# Altium PCB FIRE ARLARM_DEV.PcbDoc (part 1 of 2) (continued)
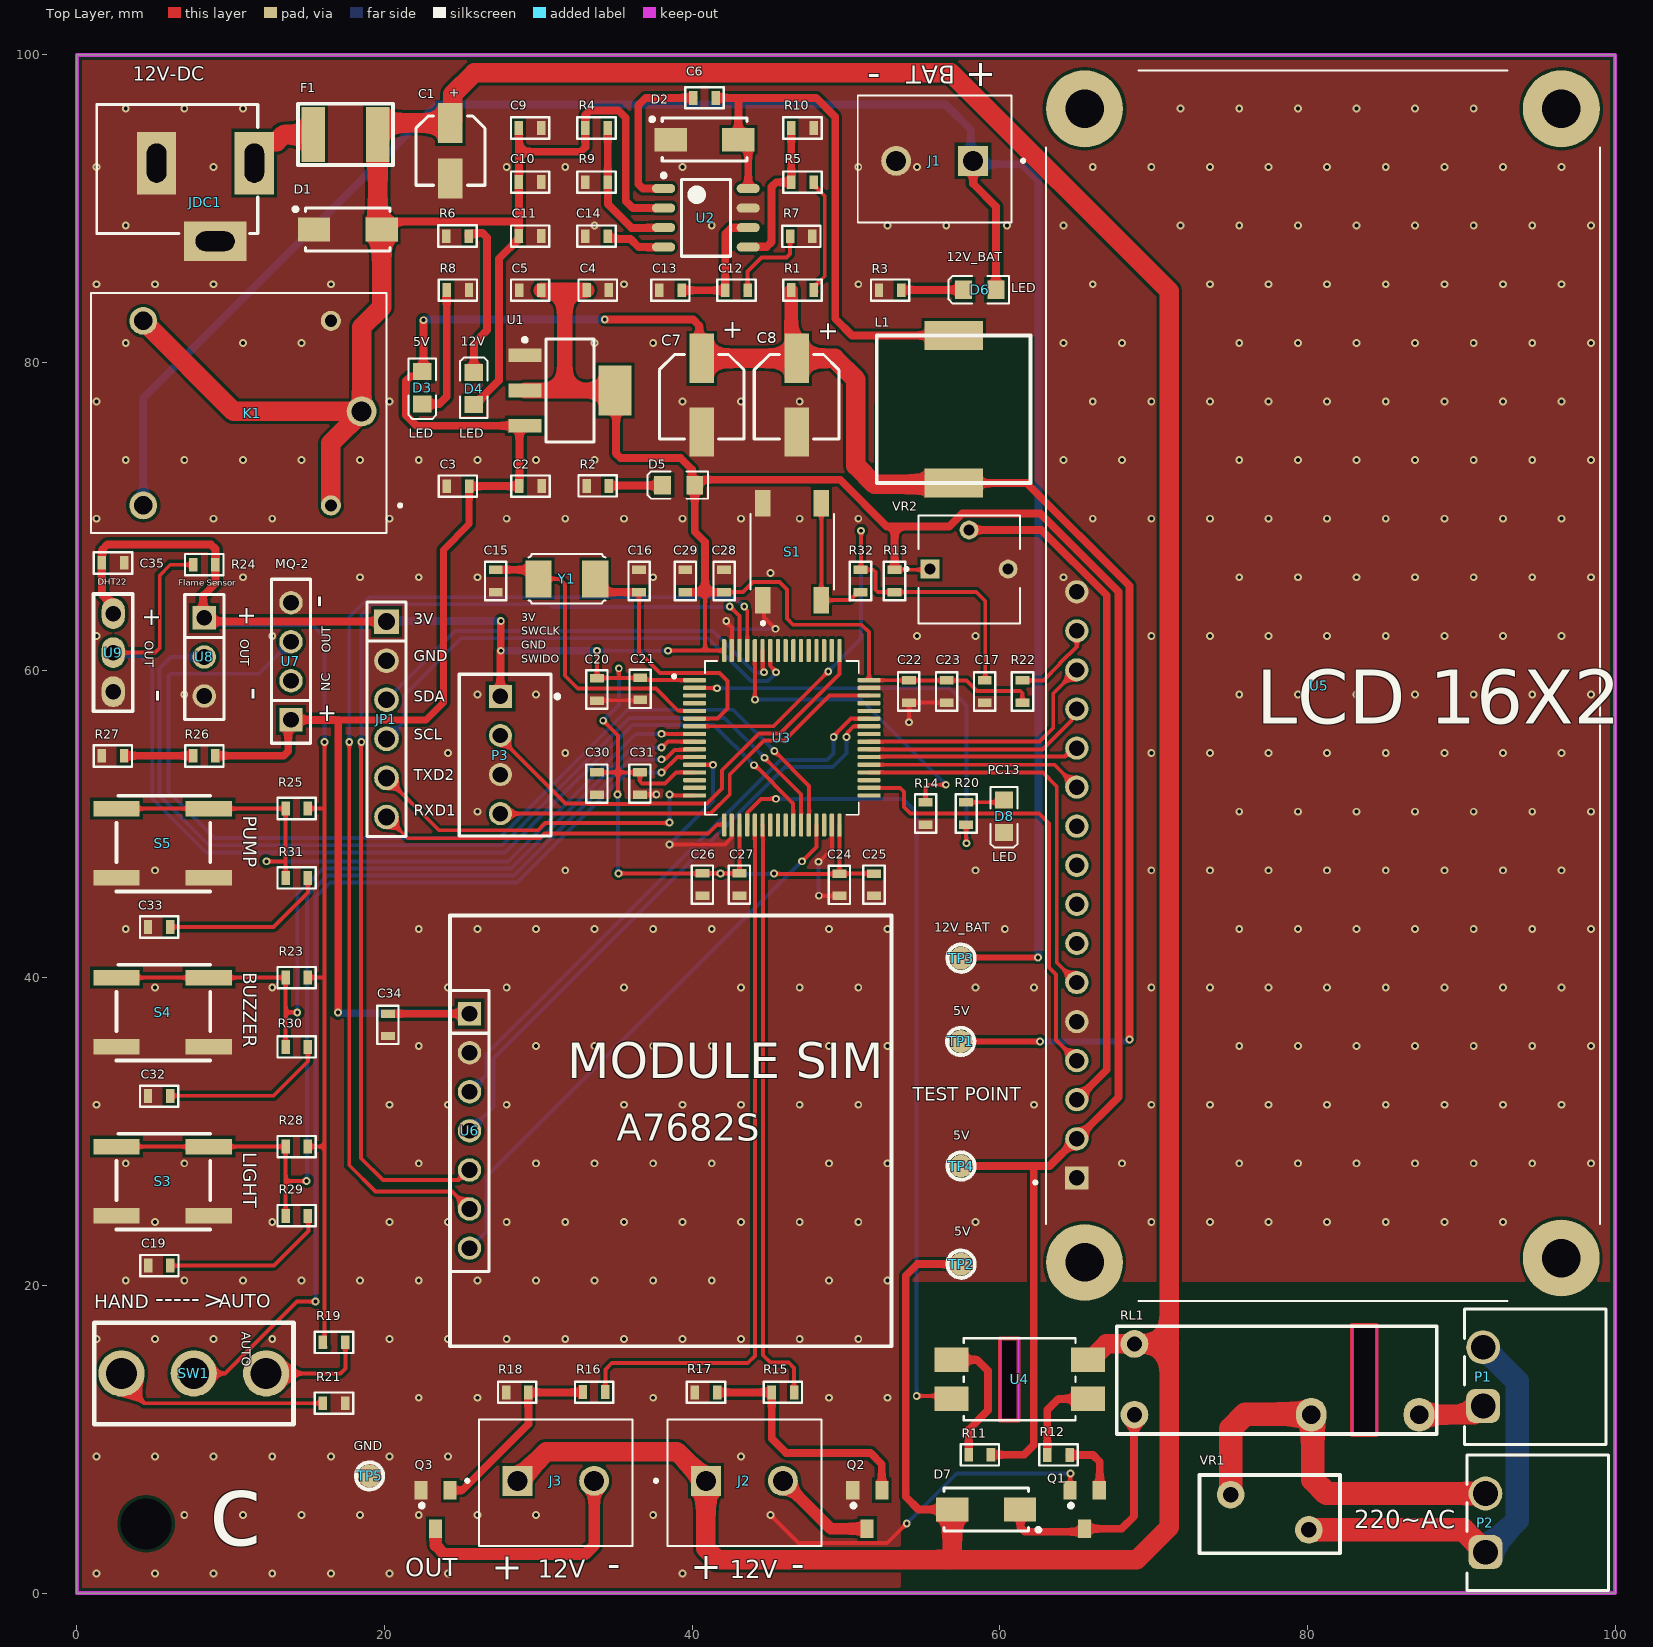
[diagram p0: Top Layer view]
## Part data (continued)
C11 C14: library part 01060310310, "CAP, size 0603, 10nF", Capacitance Tolerance=+/-10%, Operating Temperature="-55 to +125degC", Capacitance=10nF, ComponentLink1Description=Manufacturer, ComponentLink1URL=http://www.we-online.de, ComponentLink2Description=Datasheet, ComponentLink2URL=https://www.we-online.com/catalog/datasheet/885012206089.pdf, Mounting Technology=SMT, Packaging="Tape and Reel", Size=0603, Supply 1 Name="Wurth Elektronik", Supply 1 SN=885012206089, Supply 1 URL=https://www.we-online.com/en/components/products/WCAP-CSGP-50VDC?sq=885012206089#885012206089, Supply 2 Name=Thegioiic, Supply 2 URL=https://www.thegioiic.com/tu-gom-0603-10nf-50v
C13: library part 01060347310, "CAP, size 0603, 47nF", Capacitance=47nF, Capacitance Tolerance=+/-10%, Operating Temperature="-55 to +125degC", ComponentLink1Description=Manufacturer, ComponentLink1URL=http://www.we-online.de, ComponentLink2Description=Datasheet, ComponentLink2URL=https://www.we-online.com/catalog/datasheet/885012206093.pdf, Mounting Technology=SMT, Packaging="Tape and Reel", Size=0603, Supply 1 Name="Wurth Elektronik", Supply 1 SN=885012206093, Supply 1 URL=https://www.we-online.com/en/components/products/WCAP-CSGP-50VDC?sq=885012206093#885012206093, Supply 2 Name=Thegioiic, Supply 2 URL=https://www.thegioiic.com/tu-gom-0603-47nf-50v
C15 C16: library part 01060322010, "CAP, size 0603, 22pF", Capacitance Tolerance=+/-10%, Operating Temperature="-55 to +125degC", Capacitance=22pF, ComponentLink1Description=Manufacturer, ComponentLink1URL=Thegioiic, ComponentLink2Description=Datasheet, Mounting Technology=SMT, Packaging="Tape and Reel", Size=0603, Supply 2 Name=Thegioiic, Supply 2 URL=https://www.thegioiic.com/tu-gom-0603-22pf-50v
C31: library part 01060310510, "CAP, size 0603, 1uF", Capacitance=1uF, Capacitance Tolerance=+/-10%, Operating Temperature="-55 to +125degC", ComponentLink1Description=Manufacturer, ComponentLink1URL=http://www.we-online.de, ComponentLink2Description=Datasheet, ComponentLink2URL=https://www.we-online.com/components/products/datasheet/885012206126.pdf, Mounting Technology=SMT, Packaging="Tape and Reel", Size=0603, Supply 1 Name="Wurth Elektronik", Supply 1 SN=885012206126, Supply 1 URL=https://www.we-online.com/en/components/products/WCAP-CSGP-50VDC?sq=885012206126#885012206126, Supply 2 Name=Thegioiic, Supply 2 URL=https://www.thegioiic.com/tu-gom-0603-1uf-50v
D1 D2: "Schottky Diode", Code_JEDEC=DO-214-AA, LatestRevisionDate=17-Jul-2002, LatestRevisionNote="Re-released for DXP Platform.", PackageDescription="DO-214-AA/SMB; 2 C-Bend Leads; Body 5.3 x 3.6 mm, inc. leads (LxW)", PackageReference=SMB, Published=8-Jun-2000, Publisher="Altium Limited"
D3 D4 D5 D6 D8: "LED"
D7: library part "D Schottky", "Schottky Diode", Code_JEDEC=DO-214-AA, LatestRevisionDate=17-Jul-2002, LatestRevisionNote="Re-released for DXP Platform.", PackageDescription="DO-214-AA/SMB; 2 C-Bend Leads; Body 5.3 x 3.6 mm, inc. leads (LxW)", PackageReference=SMB, Published=8-Jun-2000, Publisher="Altium Limited"
F1: library part 061812200008, "Resettable Fuse, Size 1812, 8V, 2A", Hold Current=2A, Manufacturer=Littelfuse, Threshold Current=100A, Threshold Voltage=8V, Trip Current=4A, ComponentLink1Description="Datasheet link", ComponentLink1URL=https://www.littelfuse.com/~/media/electronics/product_specifications/resettable_ptcs/littelfuse_ptc_minismdc300f_2_product_specification.pdf.pdf, ComponentLink2Description="Supply 1 URL", ComponentLink2URL=https://www.mouser.vn/ProductDetail/Littelfuse/MINISMDC200F-2?qs=F6FIpiMdEVbPu4q%2F42CC1w%3D%3D, ComponentLink3Description="Supply 2 URL", ComponentLink3URL=https://www.digikey.com/en/products/detail/littelfuse-inc/MINISMDC200F-2/1045898?s=N4IgTCBcDaIAQFkCSA5JBlBARAwmADPgGIC0EAugL5A, ComponentLink4Description="Supply 3 URL", ComponentLink4URL=https://www.thegioiic.com/cau-chi-tu-phuc-hoi-1812-8v-2a, Mounting Technology=SMT/SMD, Size=1812, Supply 1 Name=Mouser, Supply 1 SN=650-MINISMDC200F-2, Supply 2 Name=Digikey, Supply 2 SN=MINISMDC200F-2TR-ND, Supply 3 Name=Thegioiic, Supply 3 SN=N/A
J1: "PCB Terminal Screw 5mm 16AWG 400V 17.5A 2 Position COMBICON PT Series", Package=None, Check_prices=https://www.snapeda.com/parts/1935161/Phoenix+Contact/view-part/?ref=eda, MF="Phoenix Contact", MP=1935161, SnapEDA_Link=https://www.snapeda.com/parts/1935161/Phoenix+Contact/view-part/?ref=snap
J2: library part Buzzer_12v
J3: library part Light_12V
JDC1: "Jack DC input"
JP1: library part "JP 1x6 2.54 Duc", "Cắm", Chung_Loai=Cắm, Don_Vi=Con, Ma_Hang=MH000904, Ten_Linh_Kien="Jump Đơn Đực 2.54MM 1x40P Cong Đứng"
K1: "General Purpose Non Latching 12VDC SPDT Through Hole Relays RoHS", Package="NON STANDARD-5 Songle Relay", Check_prices=https://www.snapeda.com/parts/SRD-12VDC-SL-C/Songle+Relay/view-part/?ref=eda, MF="Songle Relay", MP=SRD-12VDC-SL-C, SnapEDA_Link=https://www.snapeda.com/parts/SRD-12VDC-SL-C/Songle+Relay/view-part/?ref=snap
L1: library part 78477410, "WE-PD2A SMT Power Inductor, size 5848, 10uH, 2.2A", DC Resistance max.=0.1Ohm, DC Resistance typ.=0.078Ohm, Inductance=10uH, Manufacturer="Wurth Elektronik", Operating Temperature="-40 to +125degC", Rated Current=2.2A, Rated Voltage=80VDC, Saturation Current=2.5A, Self Resonant Frequency=26MHz, ComponentLink1Description=Manufacturer, ComponentLink1URL=http://www.we-online.de, ComponentLink2Description=Datasheet, ComponentLink2URL=https://www.we-online.com/catalog/datasheet/78477410.pdf, Manufacturer Part Number=78477410, Mounting Technology=SMT, Packaging="Tape and Reel", Published Date="May 2020", Size=5848, Supply 1 Name=Digi-Key, Supply 1 SN=732-6830-2-ND, Supply 1 URL=https://www.digikey.com/en/products/detail/w%C3%BCrth-elektronik/78477410/5168779?s=N4IgTCBcDaIOwA4Asc5IIwAYQF0C%2BQA, Supply 2 Name=Mouser, Supply 2 SN=710-78477410, Supply 2 URL=https://www.mouser.vn/ProductDetail/Wurth-Elektronik/78477410?qs=sBf%2Fb4nBSldlX6CYaJExDg%3D%3D, Supply 3 Name=thegioiic, Supply 3 URL=https://www.thegioiic.com/cuon-cam-dan-smd-cd53-5852-100-10uh-1-8a
P1 P2: "WR-TBL Series 322 Horizontal PCB Header, THT, pitch 3.81mm, 2p", Manufacturer="Wurth Elektronik", Operating Temperature Max=105°C, Operating Temperature Min=-40°C, Rated Current=10A, Working Voltage=300V, Application=Pluggable, Category="Terminal Blocks", ComponentLink1Description="Website Link", ComponentLink1URL=https://www.we-online.com/redexpert/article/691322310002?ad, ComponentLink2Description="Datasheet Link", ComponentLink2URL=https://www.we-online.com/redexpert/spec/691322310002?ad, Manufacturer Part Number=691322310002, Match Code=WR-TBL, Modularity=No, Mount="Through Hole", Number of Pins=2, Number of Rows=1, Orientation=Horizontal, Packaging=Box, Pitch=3.81mm, Supply 3 Name=ThegioiIC, Supply 3 URL 1=https://www.thegioiic.com/kf-3-81-2-r-terminal-block-plug-in-han-pcb-2-chan-cong-3-81mm-300v-10a, Supply 3 URL 2=https://www.thegioiic.com/ul-3-81-2-r-terminal-block-plug-in-han-pcb-2-chan-cong-3-81mm-300v-10a-ulo
P3: library part 61900411121, "WR-WTB THT Male Vertical Locking Header, pitch 2.54mm, 4p", Contact Resistance=20mOhm, Operating Temperature="-40 to +105degC", Rated Current=3A, Withstanding Voltage=1000VAC, Working Voltage=250VAC, ComponentLink1Description=Manufacturer, ComponentLink1URL=http://www.we-online.de, ComponentLink2Description=Datasheet, ComponentLink2URL=https://www.we-online.com/catalog/datasheet/61900411121.pdf, Gender=Male, Mounting Technology=THT, Packaging=Bag, Part Number=61900411121, Pin Number=4, Pitch=2.54mm, Published Date="January 2020", Publisher="Wurth Elektronik", Type=Vertical
Q1: library part BC817, "NPN Bipolar Transistor"
Q2 Q3: "NPN Bipolar Transistor"
R1: library part 0006030001, "RES, 0 Ohm, size 0603, 1%", Rated Power="1/4 W", Resistance=2.5K, Resistance tolerance=+/-5%, ComponentLink1Description="Datasheet link", Mounting Technology=SMT, Size=0603
R2: library part 0006032525, "RES, 2.5K Ohm, size 0603, 5%", Rated Power="1/4 W", Resistance=2.5K, Resistance tolerance=+/-5%, ComponentLink1Description="Datasheet link", Mounting Technology=SMT, Size=0603
R3 R6 R8: library part 0006035621, "RES, 5.6k Ohm, size 0603, 1%", Rated Power=1/4W, Resistance Tolerant=+/-1%, ComponentLink1Description="Datasheet link", ComponentLink1URL=https://api.pim.na.industrial.panasonic.com/file_stream/main/fileversion/4484, ComponentLink2Description="Supply 1 URL", ComponentLink2URL=https://www.mouser.vn/ProductDetail/Panasonic/ERJ-UP3F5601V?qs=sGAEpiMZZMvdGkrng054twq3eZrCFN89ezYxgAsnxBTZYD17cS%252B65A%3D%3D, ComponentLink3Description="Supply 2 URL", ComponentLink3URL=https://www.digikey.com/en/products/detail/panasonic-electronic-components/ERJ-UP3F5601V/12092890, Mounting Technology=SMT, Resistance=5.6k, Size=0603, Supply 1 Name=Mouser, Supply 1 SN=667-ERJ-UP3F5601V, Supply 2 Name=Digikey, Supply 2 SN="10-ERJ-UP3F5601VTR-ND 10-ERJ-UP3F5601VCT-ND 10-ERJ-UP3F5601VDKR-ND"
R4: library part 0006031041, "RES, 100k Ohm, size 0603, 1%", Rated Power=1/4W, Resistance Tolerant=+/-1%, ComponentLink1Description="Datasheet link", ComponentLink1URL=https://www.yageo.com/upload/media/product/productsearch/datasheet/rchip/PYu-SR_20105_RoHS_L_10.pdf, ComponentLink2Description="Supply 1 URL", ComponentLink2URL=https://www.mouser.vn/ProductDetail/YAGEO/SR0603FR-7T100KL?qs=sGAEpiMZZMvdGkrng054tz1y1XEHv7sNa%252BA%2F4WiDMf7aGw4zRBb%2FFQ%3D%3D, ComponentLink3Description="Supply 2 URL", ComponentLink3URL=https://www.digikey.com/en/products/detail/yageo/SR0603FR-7T100KL/9373095, Mounting Technology=SMT, Resistance=100k, Size=0603, Supply 1 Name=Mouser, Supply 1 SN=603-SR0603FR-7T100KL, Supply 2 Name=Digikey, Supply 2 SN="YAG5821TR-ND YAG5821CT-ND YAG5821DKR-ND"
R5: library part 0006038251, "RES, 8.2 kOhms, size 0603, 1%", Rated Power="1/4 W", Resistance=8.2K, Resistance tolerance=+/-1%, ComponentLink1Description="Datasheet link", Mounting Technology=SMT, Size=0603, Supply 1 Name=Mouser, Supply 1 SN=660-HV731JTTD8204F, Supply 1 URL=https://www.mouser.vn/ProductDetail/KOA-Speer/HV731JTTD8204F?qs=ZqVPfSd1khqN0teaqWW7DA%3D%3D, Supply 2 Name=Digi-Key, Supply 2 SN=13-RC0603FR-078M2LTR-ND, Supply 2 URL=https://www.digikey.com/en/products/detail/yageo/RC0603FR-078M2L/5918418
R7: library part 0006033205, "RES, 30k Ohm, size 0603, 1%", Rated Power="1/4 W", Resistance tolerance=+/-1%, ComponentLink1Description="Datasheet link", Mounting Technology=SMT, Resistance=30k, Size=0603
R9: library part 0006032031, "RES, 20 kOhms, size 0603, 1%", Rated Power="1/4 W", Resistance="20 k", Resistance tolerance=+/-1%, ComponentLink1Description="Datasheet link", Mounting Technology=SMT, Size=0603, Supply 1 Name=Mouser, Supply 1 SN=667-ERJ-S03F2002V, Supply 1 URL=https://www.mouser.vn/ProductDetail/Panasonic/ERJ-S03F2002V?qs=Zyl8A9hlmJopfTdqNIDujw%3D%3D, Supply 2 Name=Digi-Key, Supply 2 SN=13-RC0603FR-1320KLTR-ND, Supply 2 URL=https://www.digikey.com/en/products/detail/yageo/RC0603FR-1320KL/13694225
R10 R20: library part 0006031521, "RES, 1.5 kOhms, size 0603, 1%", Rated Power="1/4 W", Resistance="1.5 k", Resistance tolerance=+/-1%, ComponentLink1Description="Datasheet link", Mounting Technology=SMT, Size=0603, Supply 1 Name=Mouser, Supply 1 SN=755-SFR03EZPF1501, Supply 1 URL=https://www.mouser.vn/ProductDetail/ROHM-Semiconductor/SFR03EZPF1501?qs=byeeYqUIh0NryWvnzlukLQ%3D%3D, Supply 2 Name=Digi-Key, Supply 2 SN=13-RC0603FR-071R5LTR-ND, Supply 2 URL=https://www.digikey.com/en/products/detail/yageo/RC0603FR-071R5L/5918292
R11: library part 0006032211, "RES, 220 Ohm, size 0603, 1%", Rated Power=1/4W, Resistance Tolerant=+/-1%, ComponentLink1Description="Datasheet link", ComponentLink1URL=https://api.pim.na.industrial.panasonic.com/file_stream/main/fileversion/4484, ComponentLink2Description="Supply 1 URL", ComponentLink2URL=https://www.mouser.vn/ProductDetail/Panasonic/ERJ-UP3F2200V?qs=sGAEpiMZZMvdGkrng054twq3eZrCFN89E%252BhCXuCu3h8RslmTO1I28Q%3D%3D, ComponentLink3Description="Supply 2 URL", ComponentLink3URL=https://www.digikey.com/en/products/detail/panasonic-electronic-components/ERJ-UP3F2200V/12092129, Mounting Technology=SMT, Resistance=220, Size=0603, Supply 1 Name=Mouser, Supply 1 SN=667-ERJ-UP3F2200V, Supply 2 Name=Digikey, Supply 2 SN="10-ERJ-UP3F2200VTR-ND 10-ERJ-UP3F2200VCT-ND 10-ERJ-UP3F2200VDKR-ND"
R12: library part 0006032221, "RES, 2.2k Ohm, size 0603, 1%", Rated Power=1/4W, Resistance Tolerant=+/-1%, ComponentLink1Description="Datasheet link", ComponentLink1URL=https://api.pim.na.industrial.panasonic.com/file_stream/main/fileversion/4484, ComponentLink2Description="Supply 1 URL", ComponentLink2URL=https://www.mouser.vn/ProductDetail/Panasonic/ERJ-UP3F2201V?qs=sGAEpiMZZMvdGkrng054twq3eZrCFN89KeaXYJ5LTWyJgfuuVVfZrw%3D%3D, ComponentLink3Description="Supply 2 URL", ComponentLink3URL=https://www.digikey.com/en/products/detail/panasonic-electronic-components/ERJ-UP3F2201V/12092708, ComponentLink4Description="Supply 3 URL", ComponentLink4URL=https://www.thegioiic.com/dien-tro-2-2-kohm-0603-1, Mounting Technology=SMT, Resistance=2.2k, Size=0603, Supply 1 Name=Mouser, Supply 1 SN=667-ERJ-UP3F2201V, Supply 2 Name=Digikey, Supply 2 SN="10-ERJ-UP3F2201VTR-ND 10-ERJ-UP3F2201VCT-ND 10-ERJ-UP3F2201VDKR-ND", Supply 3 Name=thegioiic, Supply 3 SN=NA
R13 R14 R19 R23 R25 R28: library part 0006031031, "RES, 10k Ohm, size 0603, 1%", Rated Power=1/4W, Resistance Tolerant=+/-1%, ComponentLink1Description="Datasheet link", ComponentLink1URL=https://fscdn.rohm.com/en/products/databook/datasheet/passive/resistor/chip_resistor/esr-e.pdf, ComponentLink2Description="Supply 1 URL", ComponentLink2URL=https://www.mouser.vn/ProductDetail/ROHM-Semiconductor/ESR03EZPF1002?qs=sGAEpiMZZMvdGkrng054t67Efho1F8r6CDeAsqwFse8%3D, ComponentLink3Description="Supply 2 URL", ComponentLink3URL=https://www.digikey.com/en/products/detail/rohm-semiconductor/ESR03EZPF1002/1983429, Mounting Technology=SMT, Resistance=10k, Size=0603, Supply 1 Name=Mouser, Supply 1 SN=755-ESR03EZPF1002, Supply 2 Name=Digikey, Supply 2 SN="RHM10KADTR-ND RHM10KADCT-ND RHM10KADDKR-ND"
R15: library part 0006032221, "RES, 75 Ohm, size 0603, 1%", Rated Power=1/4W, Resistance=2.2k, Resistance Tolerant=+/-1%, ComponentLink1Description="Datasheet link", ComponentLink1URL=https://api.pim.na.industrial.panasonic.com/file_stream/main/fileversion/4484, ComponentLink2Description="Supply 1 URL", ComponentLink2URL=https://www.mouser.vn/ProductDetail/Panasonic/ERJ-UP3F2201V?qs=sGAEpiMZZMvdGkrng054twq3eZrCFN89KeaXYJ5LTWyJgfuuVVfZrw%3D%3D, ComponentLink3Description="Supply 2 URL", ComponentLink3URL=https://www.digikey.com/en/products/detail/panasonic-electronic-components/ERJ-UP3F2201V/12092708, ComponentLink4Description="Supply 3 URL", ComponentLink4URL=https://www.thegioiic.com/dien-tro-2-2-kohm-0603-1, Mounting Technology=SMT, Size=0603, Supply 1 Name=Mouser, Supply 1 SN=667-ERJ-UP3F2201V, Supply 2 Name=Digikey, Supply 2 SN="10-ERJ-UP3F2201VTR-ND 10-ERJ-UP3F2201VCT-ND 10-ERJ-UP3F2201VDKR-ND", Supply 3 Name=thegioiic, Supply 3 SN=NA
R16: library part 0006032221, "RES, 1.2k Ohm, size 0603, 1%", Rated Power=1/4W, Resistance=2.2k, Resistance Tolerant=+/-1%, ComponentLink1Description="Datasheet link", ComponentLink1URL=https://api.pim.na.industrial.panasonic.com/file_stream/main/fileversion/4484, ComponentLink2Description="Supply 1 URL", ComponentLink2URL=https://www.mouser.vn/ProductDetail/Panasonic/ERJ-UP3F2201V?qs=sGAEpiMZZMvdGkrng054twq3eZrCFN89KeaXYJ5LTWyJgfuuVVfZrw%3D%3D, ComponentLink3Description="Supply 2 URL", ComponentLink3URL=https://www.digikey.com/en/products/detail/panasonic-electronic-components/ERJ-UP3F2201V/12092708, ComponentLink4Description="Supply 3 URL", ComponentLink4URL=https://www.thegioiic.com/dien-tro-2-2-kohm-0603-1, Mounting Technology=SMT, Size=0603, Supply 1 Name=Mouser, Supply 1 SN=667-ERJ-UP3F2201V, Supply 2 Name=Digikey, Supply 2 SN="10-ERJ-UP3F2201VTR-ND 10-ERJ-UP3F2201VCT-ND 10-ERJ-UP3F2201VDKR-ND", Supply 3 Name=thegioiic, Supply 3 SN=NA
R17 R18: library part 0006032221, "RES, 10k Ohm, size 0603, 1%", Rated Power=1/4W, Resistance=2.2k, Resistance Tolerant=+/-1%, ComponentLink1Description="Datasheet link", ComponentLink1URL=https://api.pim.na.industrial.panasonic.com/file_stream/main/fileversion/4484, ComponentLink2Description="Supply 1 URL", ComponentLink2URL=https://www.mouser.vn/ProductDetail/Panasonic/ERJ-UP3F2201V?qs=sGAEpiMZZMvdGkrng054twq3eZrCFN89KeaXYJ5LTWyJgfuuVVfZrw%3D%3D, ComponentLink3Description="Supply 2 URL", ComponentLink3URL=https://www.digikey.com/en/products/detail/panasonic-electronic-components/ERJ-UP3F2201V/12092708, ComponentLink4Description="Supply 3 URL", ComponentLink4URL=https://www.thegioiic.com/dien-tro-2-2-kohm-0603-1, Mounting Technology=SMT, Size=0603, Supply 1 Name=Mouser, Supply 1 SN=667-ERJ-UP3F2201V, Supply 2 Name=Digikey, Supply 2 SN="10-ERJ-UP3F2201VTR-ND 10-ERJ-UP3F2201VCT-ND 10-ERJ-UP3F2201VDKR-ND", Supply 3 Name=thegioiic, Supply 3 SN=NA
R21 R26: library part 0006031031, "RES, 1k Ohm, size 0603, 1%", Rated Power=1/4W, Resistance=10k, Resistance Tolerant=+/-1%, ComponentLink1Description="Datasheet link", ComponentLink1URL=https://fscdn.rohm.com/en/products/databook/datasheet/passive/resistor/chip_resistor/esr-e.pdf, ComponentLink2Description="Supply 1 URL", ComponentLink2URL=https://www.mouser.vn/ProductDetail/ROHM-Semiconductor/ESR03EZPF1002?qs=sGAEpiMZZMvdGkrng054t67Efho1F8r6CDeAsqwFse8%3D, ComponentLink3Description="Supply 2 URL", ComponentLink3URL=https://www.digikey.com/en/products/detail/rohm-semiconductor/ESR03EZPF1002/1983429, Mounting Technology=SMT, Size=0603, Supply 1 Name=Mouser, Supply 1 SN=755-ESR03EZPF1002, Supply 2 Name=Digikey, Supply 2 SN="RHM10KADTR-ND RHM10KADCT-ND RHM10KADDKR-ND"
R22: library part 0006032221, "RES, 330 Ohm, size 0603, 1%", Rated Power=1/4W, Resistance=2.2k, Resistance Tolerant=+/-1%, ComponentLink1Description="Datasheet link", ComponentLink1URL=https://api.pim.na.industrial.panasonic.com/file_stream/main/fileversion/4484, ComponentLink2Description="Supply 1 URL", ComponentLink2URL=https://www.mouser.vn/ProductDetail/Panasonic/ERJ-UP3F2201V?qs=sGAEpiMZZMvdGkrng054twq3eZrCFN89KeaXYJ5LTWyJgfuuVVfZrw%3D%3D, ComponentLink3Description="Supply 2 URL", ComponentLink3URL=https://www.digikey.com/en/products/detail/panasonic-electronic-components/ERJ-UP3F2201V/12092708, ComponentLink4Description="Supply 3 URL", ComponentLink4URL=https://www.thegioiic.com/dien-tro-2-2-kohm-0603-1, Mounting Technology=SMT, Size=0603, Supply 1 Name=Mouser, Supply 1 SN=667-ERJ-UP3F2201V, Supply 2 Name=Digikey, Supply 2 SN="10-ERJ-UP3F2201VTR-ND 10-ERJ-UP3F2201VCT-ND 10-ERJ-UP3F2201VDKR-ND", Supply 3 Name=thegioiic, Supply 3 SN=NA
R24: library part 0006031031, "RES, 4.7k Ohm, size 0603, 1%", Rated Power=1/4W, Resistance=10k, Resistance Tolerant=+/-1%, ComponentLink1Description="Datasheet link", ComponentLink1URL=https://fscdn.rohm.com/en/products/databook/datasheet/passive/resistor/chip_resistor/esr-e.pdf, ComponentLink2Description="Supply 1 URL", ComponentLink2URL=https://www.mouser.vn/ProductDetail/ROHM-Semiconductor/ESR03EZPF1002?qs=sGAEpiMZZMvdGkrng054t67Efho1F8r6CDeAsqwFse8%3D, ComponentLink3Description="Supply 2 URL", ComponentLink3URL=https://www.digikey.com/en/products/detail/rohm-semiconductor/ESR03EZPF1002/1983429, Mounting Technology=SMT, Size=0603, Supply 1 Name=Mouser, Supply 1 SN=755-ESR03EZPF1002, Supply 2 Name=Digikey, Supply 2 SN="RHM10KADTR-ND RHM10KADCT-ND RHM10KADDKR-ND"
R27: library part 0006031031, "RES, 2k Ohm, size 0603, 1%", Rated Power=1/4W, Resistance=10k, Resistance Tolerant=+/-1%, ComponentLink1Description="Datasheet link", ComponentLink1URL=https://fscdn.rohm.com/en/products/databook/datasheet/passive/resistor/chip_resistor/esr-e.pdf, ComponentLink2Description="Supply 1 URL", ComponentLink2URL=https://www.mouser.vn/ProductDetail/ROHM-Semiconductor/ESR03EZPF1002?qs=sGAEpiMZZMvdGkrng054t67Efho1F8r6CDeAsqwFse8%3D, ComponentLink3Description="Supply 2 URL", ComponentLink3URL=https://www.digikey.com/en/products/detail/rohm-semiconductor/ESR03EZPF1002/1983429, Mounting Technology=SMT, Size=0603, Supply 1 Name=Mouser, Supply 1 SN=755-ESR03EZPF1002, Supply 2 Name=Digikey, Supply 2 SN="RHM10KADTR-ND RHM10KADCT-ND RHM10KADDKR-ND"
R29 R30 R31 R32: library part 0006031031, "RES, 220 Ohm, size 0603, 1%", Rated Power=1/4W, Resistance=10k, Resistance Tolerant=+/-1%, ComponentLink1Description="Datasheet link", ComponentLink1URL=https://fscdn.rohm.com/en/products/databook/datasheet/passive/resistor/chip_resistor/esr-e.pdf, ComponentLink2Description="Supply 1 URL", ComponentLink2URL=https://www.mouser.vn/ProductDetail/ROHM-Semiconductor/ESR03EZPF1002?qs=sGAEpiMZZMvdGkrng054t67Efho1F8r6CDeAsqwFse8%3D, ComponentLink3Description="Supply 2 URL", ComponentLink3URL=https://www.digikey.com/en/products/detail/rohm-semiconductor/ESR03EZPF1002/1983429, Mounting Technology=SMT, Size=0603, Supply 1 Name=Mouser, Supply 1 SN=755-ESR03EZPF1002, Supply 2 Name=Digikey, Supply 2 SN="RHM10KADTR-ND RHM10KADCT-ND RHM10KADDKR-ND"
RL1: "SeriesHF46F 12V 1 Form A 1A Gold Plated SUBMINIATURE INTERMEDIATE POWER RELAY", Package=None, Availability="Not in stock", Check_prices=https://www.snapeda.com/parts/HF46F/Hongfa/view-part/?ref=eda, MF=Hongfa, MP=HF46F, Price=None, SnapEDA_Link=https://www.snapeda.com/parts/HF46F/Hongfa/view-part/?ref=snap
S1: "Nút Nhấn 4x4mm Cao 1.5mm 4 Chân SMD Chống Nước", Package=None, Availability=Unavailable, MP=8-1437565-1, Price=None
S3 S4 S5: "Tactile Switch, 6x6mm"
SW1: "SS-12D10 Công Tắc Trượt 3 Chân Xuyên Lỗ ON-OFF 1P2T 0.5A"
TP1 TP2 TP3 TP4 TP5: "Test point, 2mm radius"
U1: "AMS1117-3.3V, OUT 3.3V 1A.", Current Output Maximum=1A, Manufacturer=AMS, Voltage Input Maximum=15V, Voltage Output=3.3V, Datasheet=http://www.advanced-monolithic.com/pdf/ds1117.pdf, Mounting Technology=SMD, Pad Count=4, Supplier 3 Link=https://www.thegioiic.com/ams1117-3-3v-ic-on-ap-3-3v-1a-sot-223, Supplier 3 Name=ThegioiIC
U2: library part TPS54231, "Buck Switching Regulator IC Positive Adjustable 0.8V 1 Output 2A 8-SOIC (0.154\", 3.90mm Width)", Current - Output=2A, Frequency - Switching=570kHz, Mfr="Texas Instruments", Operating Temperature="-40°C ~ 150°C (TJ)", Voltage - Input (Max)=28V, Voltage - Input (Min)=3.5V, Voltage - Output (Max)=25V, Voltage - Output (Min/Fixed)=0.8V, Category="Integrated Circuits (ICs)", ComponentLink1Description=Thegioiic, ComponentLink1URL=https://www.thegioiic.com/tps54231dr-ic-dieu-chinh-giam-ap-2a-8-soic, ComponentLink2Description=Datasheet, ComponentLink2URL=https://www.ti.com/lit/ds/symlink/tps54231.pdf, Function=Step-Down, Mounting Type="Surface Mount", Number of Outputs=1, Output Configuration=Positive, Output Type=Adjustable, Topology=Buck
U3: "ARMÂ® CortexÂ®-M3 STM32F1 Microcontroller IC 32-Bit 72MHz 256KB (256K x 8) FLASH 64-LQFP (10x10)", Package="LQFP-64 STMicroelectronics", Availability="In Stock", Check_prices=https://www.snapeda.com/parts/STM32F103RCT6/STMicroelectronics/view-part/?ref=eda, MF=STMicroelectronics, MP=STM32F103RCT6, Price=None, Purchase-URL=https://pricing.snapeda.com/search/part/STM32F103RCT6/?ref=eda, SnapEDA_Link=https://www.snapeda.com/parts/STM32F103RCT6/STMicroelectronics/view-part/?ref=snap
U4: "PC817 series, SMD, I_F (max) = 500mA, V_F (max) = 1.4V. / Breakdown voltage: BV_CE = 80V, BV_BE = 6V."
U5: "Display; Display: LCD 2x16 characters (blue backlight)", Package="TQFP-64 mikroElektronika", Check_prices=https://www.snapeda.com/parts/LCD%202X16/mikroElektronika/view-part/?ref=eda, MF=mikroElektronika, MP="LCD 2X16", SnapEDA_Link=https://www.snapeda.com/parts/LCD%202X16/mikroElektronika/view-part/?ref=snap
U6: library part Module_A7682S_V2, "Module 4G A7682S Volte Ra chân V2 TDM2431, 4.5-16V, 28×26.8×5.5mm, Mức logic I/OTTL( Serial 3.3V)"
U7: "Nguồn: 5VDC, Dòng: 150mA, đầu ra: digital analog."
U8: "LM393, 3 Chân, Nguồn: 3.3-5VDC, góc quét 60 độ, ngõ ra Digital, 32x14mm"
U9: library part DHT11_Module, "Temperature & Humidity Sensor, 3.3V-5V, 5mA"
VR1: library part "07D471K 470V", "07D471K 470V"
VR2: library part 3362P-1-503, "10 kOhms 0.5W, 1/2W PC Pins Through Hole Trimmer Potentiometer Cermet 1 Turn Top Finger Adjustment", Package="3116 Bourns", Availability=Warning, Check_prices=https://www.snapeda.com/parts/3362P-1-503/Bourns/view-part/1483011/?ref=eda, MF=Bourns, MP=3362P-1-503, Price=None, Purchase-URL=https://pricing.snapeda.com/search/part/3362P-1-503/?ref=eda, SnapEDA_Link=https://www.snapeda.com/parts/3362P-1-503/Bourns/view-part/1483011/?ref=snap
Y1: "SMD Crystal 12Mhz-20pF-20ppm-40R;", Package=None, Availability=Unavailable, MF=Xinhunjing, MP=5032/2P, Price=None, SnapEDA_Link=https://www.snapeda.com/parts/5032/2P/Xinhunjing/view-part/105659/?ref=snap

## Free pads (board coordinates)
  round 1.524 hole 3.3: 1(4.5,4.5)

## Via types
v1: diameter 0.508, hole 0.254, Top Layer to Bottom Layer, tented both sides, 344 vias
v2: diameter 0.508, hole 0.254, Top Layer to Bottom Layer, 57 vias

## Nets (pads, with @x,y where several pads share a name; then routed paths per layer and width w, separated by ;. In a path a pad name is that pad's centre, name@x,y a point inside that pad or via, vN(x,y) a via of type N, cw(c..) or ccw(c..) an arc to the next point about the centre after c; other vN are vias at no path point)
+3V3: C4.2 C5.2 C20.2 C21.2 C22.2 C23.2 C24.2 C25.1 C26.2 C27.2 C28.2 C29.2 C30.2 C31.2 C35.2 D5.1 JP1.1 P3.1 R11.1 R13.2 R19.2 R22.2 R23.1 R24.2 R25.1 R28.1 TP4.1 U1.2 U1.4 U3.1 U3.13 U3.19 U3.32 U3.48 U3.64 U5.2 U8.1 U9.1 VR2.1 | length 337.1
  Top Layer w0.254: R28.1@15.014,29.034 16.104,29.034 ; R23.1@15.014,40.022 16.082,40.022 16.104,40.044 ; R25.1@15.014,51.01 16.06,51.01 16.104,51.054 ; v2(16.104,55.321) 16.104,51.054 ; R19.2@16.209,15.984 16.136,15.984 15.988,16.132 R19.2@15.988,16.307 16.104,16.422 16.104,29.034 ; C30.2@33.807,53.352 35.179,53.352 ; v2(33.807,61.265) C20.2@33.807,59.475 33.827,59.495 35.217,59.495 ; v2(34.214,56.718) 35.179,55.753 35.179,53.352 ; v2(35.154,51.918) 35.179,51.943 35.179,53.352 ; v2(35.204,46.787) C26.2@40.665,46.787 v2(41.848,46.787) C27.2@43.077,46.787 U3.19@43.077,49.932 ; v2(35.23,60.122) 35.23,59.507 35.217,59.495 ; v2(38.43,61.265) 38.437,61.272 40.843,61.272 ; U3.13@40.157,53.352 38.959,53.352 38.236,52.629 36.75,52.629 36.601,52.778 C31.2@36.601,53.352 35.179,53.352 ; U3.1@40.157,59.352 36.964,59.352 36.802,59.514 C21.2@36.627,59.514 36.607,59.495 35.217,59.495 ; 40.843,65.073 40.843,61.272 ; U3.64@42.059,61.89 42.064,61.89 42.077,61.877 U3.64@42.077,61.272 40.843,61.272 ; C28.2@42.077,65.066 C28.2@42.07,65.073 43.306,65.073 43.963,65.73 45.674,65.73 46.152,65.253 46.152,63.348 46.549,62.95 51.019,62.95 51.497,62.472 U3.48@51.497,59.352 51.505,59.344 54.078,59.344 C22.2@54.085,59.337 C23.2@56.551,59.337 57.825,59.337 58.513,58.649 61.319,58.649 61.468,58.5 R22.2@61.468,57.881 ; v2@45.333,46.756 49.558,46.756 C24.2@49.577,46.775 ; U3.32@49.577,49.932 C24.2@49.577,46.775 ; C25.1@51.816,46.775 C24.2@49.577,46.775 ; R13.2@53.162,66.528 55.415,66.528 VR2.1@55.46,66.573 ; 16.104,29.034 16.104,40.044 ; 16.104,40.044 16.104,51.054
  Top Layer w0.508: U9.1@2.502,63.538 U9.1@2.362,63.678 2.362,64.196 1.623,64.935 C35.2@1.623,66.98 1.644,67.001 1.644,67.837 1.981,68.174 8.711,68.174 9.008,67.876 R24.2@9.008,66.853 9.008,65.65 8.204,64.846 U8.1@8.204,63.475 ; U8.1@8.141,63.538 U8.1@8.204,63.475 ; JP1.1@20.126,63.155 20.11,63.172 8.507,63.172 U8.1@8.28,63.398 U8.1@8.204,63.475 ; P3.1@27.534,58.293 v2@27.534,61.265 ; v2(27.559,61.265) v2(27.559,63.195) ; U1.4@34.985,78.181 35.052,78.114 35.052,74.085 35.35,73.787 39.257,73.787 39.982,73.062 D5.1@39.982,72.218 ; C29.2@39.548,65.073 40.843,65.073 ; C28.2@42.07,65.073 40.843,65.073 ; R13.2@53.162,66.528 53.162,69.342 ; TP4.1@57.67,27.793 58.243,27.793 58.274,27.762 63.234,27.762 U5.2@65.007,29.535 67.716,32.244 67.716,65.103 62.638,70.182 57.558,70.182 56.718,69.342 53.162,69.342 ; R11.1@59.424,8.992 61.57,8.992 62.205,9.627 62.205,27.737 ; 40.843,65.073 40.843,68.326 40.166,69.003 40.166,72.084 40.462,72.38 49.616,72.38 52.654,69.342 53.162,69.342
  Top Layer w1.016: U1.2@29.125,78.181 31.713,78.181 ; C5.2@30.194,84.695 30.201,84.702 31.713,84.702 ; C4.2@33.133,84.709 33.126,84.702 31.713,84.702 ; U1.4@34.985,78.181 31.713,78.181 ; 31.713,78.181 31.713,84.702
  Bottom Layer w0.254: U8.1@8.28,63.398 8.74,62.939 15.318,62.939 16.104,62.154 v2(16.104,55.321) ; v2(33.807,61.265) v2(38.43,61.265) ; v2(34.214,56.718) 35.23,57.734 v2(35.23,60.122) ; v2(35.154,51.918) 35.179,51.892 35.179,46.812 v2(35.204,46.787) ; v2(41.848,46.787) 41.874,46.761 45.288,46.761 v2@45.314,46.736
  Bottom Layer w0.508: JP1.1@20.126,63.155 20.166,63.195 v2(27.559,63.195) ; v2(27.559,61.265) v2(33.807,61.265)
  other v2: 45.314,46.787
+5V: C2.2 C3.2 C7.1 C8.1 C34.2 D3.1 L1.2 R1.2 R26.1 TP1.1 U1.3 U6.1 U7.1 | length 188.8
  Top Layer w0.381: TP1.1@57.48,35.535 57.783,35.535 58.113,35.865 v2@62.577,35.865
  Top Layer w0.457: 16.764,56.769 22.708,56.769 23.825,57.887 23.825,67.818 25.502,69.495 C3.2@25.502,71.965
  Top Layer w0.508: R26.1@9.005,54.432 13.439,54.432 13.736,54.73 13.736,56.586 U7.1@13.919,56.769 16.764,56.769 ; v2(16.967,37.744) 16.993,37.77 16.993,56.769 ; C34.2@20.218,37.668 U6.1@25.527,37.668 ; v2(22.53,82.753) 22.53,79.485 22.158,79.113 21.694,79.113 21.396,78.815 21.396,76.57 22.075,75.891 U1.3@28.965,75.891 ; C3.2@25.502,71.965 28.761,71.965 C2.2@28.769,71.972 28.769,75.695 U1.3@28.965,75.891 ; U1.3@29.125,75.891 U1.3@28.965,75.891 ; v2(34.315,82.804) 40.056,82.804 40.462,82.398 40.462,80.429 C7.1@40.615,80.276 ; L1.2@57,72.161 61.747,72.161 68.428,65.481 v2(68.428,35.992)
  Top Layer w0.889: C8.1@46.443,80.443 R1.2@46.443,84.709
  Top Layer w1.27: C7.1@40.615,80.276 C8.1@46.622,80.276 ; C8.1@46.787,80.276 49.264,80.276 50.648,78.892 50.648,73.304 51.867,72.085 56.159,72.085 L1.2@56.236,72.161
  Bottom Layer w0.381: v2(62.611,35.865) 68.266,35.865 68.393,35.992 v2(68.428,35.992)
  Bottom Layer w0.508: v2(16.967,37.744) 17.018,37.694 25.502,37.694 U6.1@25.527,37.668 ; v2(22.53,82.753) 22.581,82.804 v2(34.315,82.804)